# Altium PCB fpga.PcbDoc (part 5 of 11)
Units mm, origin at the board's own origin, x right, y up, seen from the top; angles counter-clockwise.
Board outline 210 x 210 mm, 2 copper layers (Top Layer, Bottom Layer), stack 1.591 mm thick; 639 components, 1839 nets, 4759 pads, 4016 vias.
Unrouted connection lines stored in the file: 10.
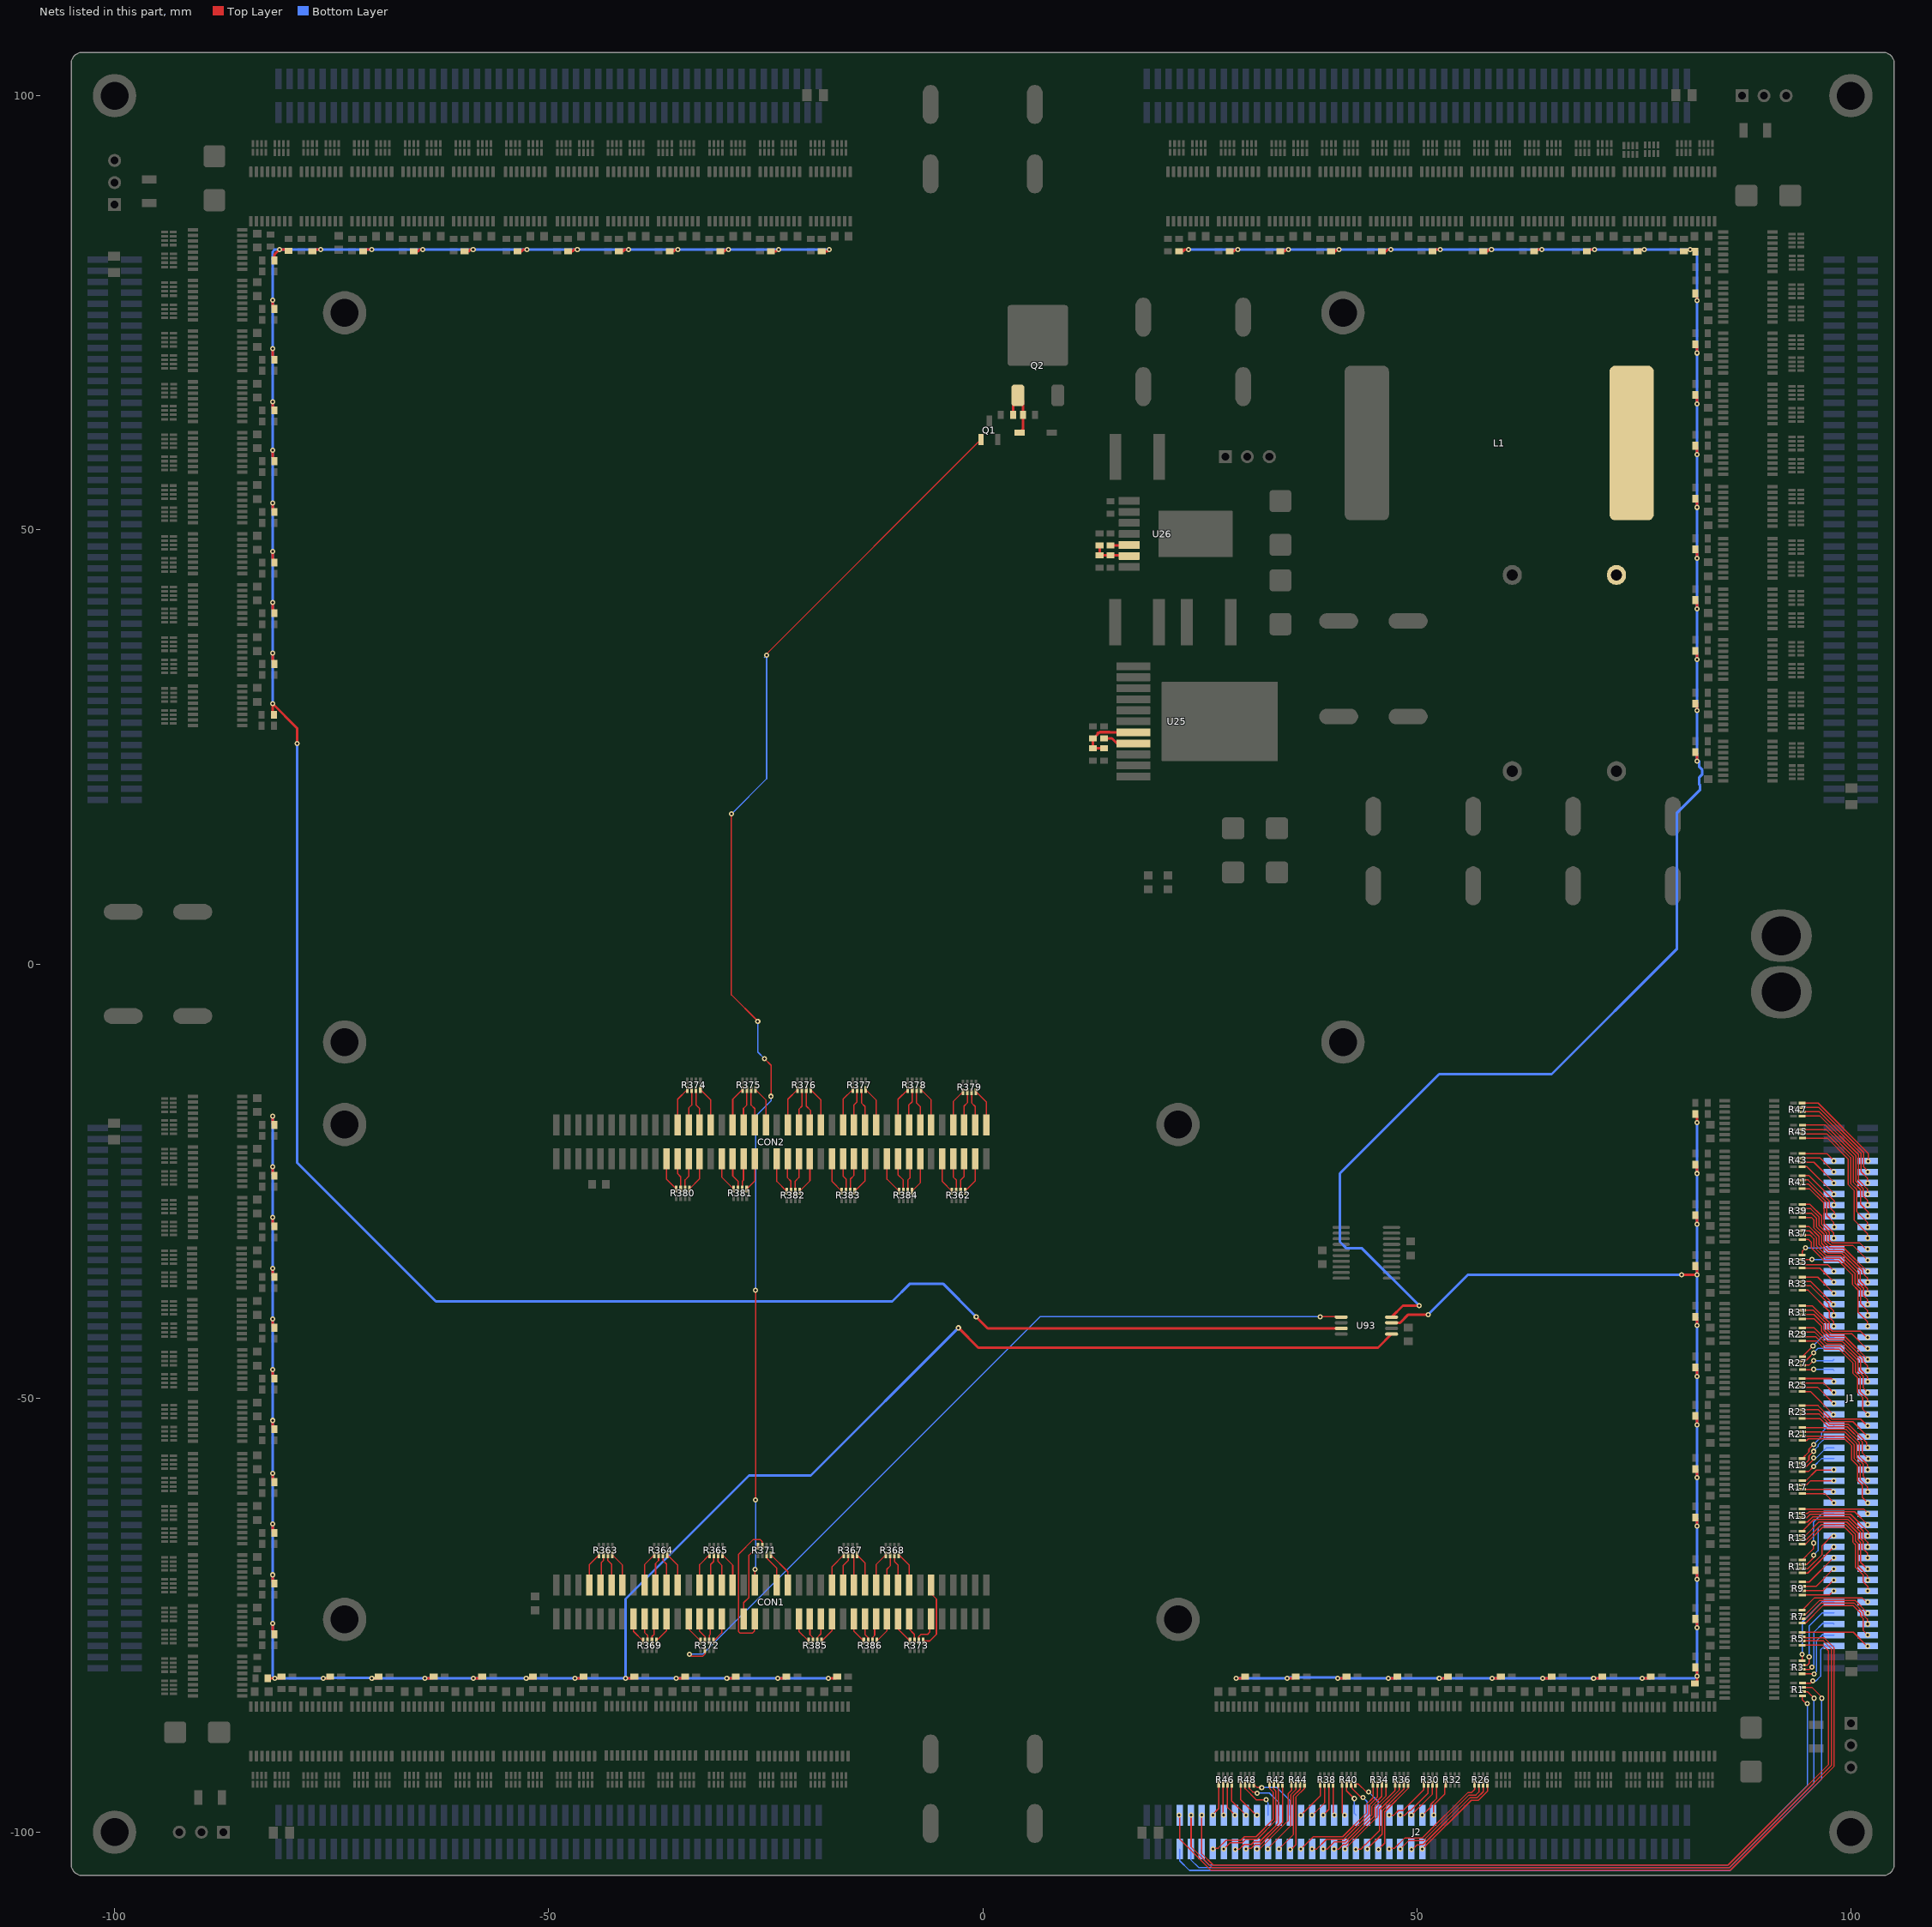
[diagram p5: the nets of this part, all layers, seen from the top]

## Via types
v1: diameter 0.6, hole 0.3, Top Layer to Bottom Layer, tented both sides, 3924 vias
v2: diameter 0.8, hole 0.4, Top Layer to Bottom Layer, tented both sides, 89 vias
v3: diameter 0.6, hole 0.3, Top Layer to Bottom Layer, 3 vias

## Nets (pads, with @x,y where several pads share a name; then routed paths per layer and width w, separated by ;. In a path a pad name is that pad's centre, name@x,y a point inside that pad or via, vN(x,y) a via of type N, cw(c..) or ccw(c..) an arc to the next point about the centre after c; other vN are vias at no path point) (continued)
LATCH: R181.1 R182.1 R183.1 R184.1 R185.1 R186.1 R187.1 R189.1 R190.1 R191.1 R192.1 R193.1 R194.1 R195.1 R197.1 R198.1 R199.1 R200.1 R201.1 R202.1 R203.1 R205.1 R206.1 R207.1 R208.1 R209.1 R210.1 R211.1 R213.1 R214.1 R215.1 R216.1 R217.1 R218.1 R219.1 R221.1 R222.1 R223.1 R224.1 R225.1 R226.1 R227.1 R229.1 R230.1 R231.1 R232.1 R233.1 R234.1 R235.1 R238.1 R239.1 R240.1 R241.1 R242.1 R243.1 R244.1 R247.1 R248.1 R249.1 R250.1 R251.1 R252.1 R253.1 R256.1 R257.1 R258.1 R259.1 R260.1 R261.1 R262.1 R265.1 R266.1 R267.1 R268.1 R269.1 R270.1 R271.1 R274.1 R275.1 R276.1 R277.1 R278.1 R279.1 R280.1 R319.1 R326.1 R333.1 R340.1 R347.1 R354.1 U93.3 U93.5 U93.7 U93.8 | length 998.3
  Top Layer w0.3: R202.1@-82.358,-82.042 -82.104,-82.296 v1(-81.534,-82.296) -80.71,-82.296 R201.1@-80.518,-82.104 ; v1(-81.796,35.814) -81.796,34.99 R186.1@-81.604,34.798 ; v1(-81.796,41.656) -81.796,40.832 R278.1@-81.604,40.64 ; v1(-81.796,47.498) -81.796,46.674 R269.1@-81.604,46.482 ; v1(-81.796,53.086) -81.796,52.262 R260.1@-81.604,52.07 ; v1(-81.796,59.182) -81.796,58.358 R251.1@-81.604,58.166 ; v1(-81.796,64.77) -81.796,63.946 R242.1@-81.604,63.754 ; v1(-81.796,70.866) -81.796,70.042 R233.1@-81.604,69.85 ; v1(-81.796,76.454) -81.796,75.63 R225.1@-81.604,75.438 ; R217.1@-81.796,81.218 -81.604,81.026 -81.604,81.696 v1(-81,82.3) -79.952,82.3 R218.1@-79.756,82.104 ; v1(-81.788,-75.946) -81.788,-76.77 R210.1@-81.596,-76.962 ; v1(-81.788,-70.358) -81.788,-71.182 R216.1@-81.596,-71.374 ; v1(-81.788,-64.516) -81.788,-65.34 R224.1@-81.596,-65.532 ; v1(-81.788,-58.674) -81.788,-59.498 R232.1@-81.596,-59.69 ; v1(-81.788,-52.578) -81.788,-53.402 R241.1@-81.596,-53.594 ; v1(-81.788,-46.736) -81.788,-47.56 R250.1@-81.596,-47.752 ; v1(-81.788,-40.894) -81.788,-41.718 R259.1@-81.596,-41.91 ; v1(-81.788,-35.052) -81.788,-35.876 R268.1@-81.596,-36.068 ; v1(-81.788,-29.21) -81.788,-30.034 R277.1@-81.596,-30.226 ; v1(-81.788,-23.368) -81.788,-24.192 R185.1@-81.596,-24.384 ; v1(-81.788,-17.526) -81.788,-18.35 R193.1@-81.596,-18.542 ; R194.1@-81.604,28.956 -81.796,29.148 v1(-81.796,29.972) -78.994,27.17 v1(-78.994,25.4) ; R226.1@-77,82.1 -76.804,82.296 v1(-76.27,82.296) ; v1(-75.946,-82.296) -75.122,-82.296 R209.1@-74.93,-82.104 ; R234.1@-71.035,82.265 -71.004,82.296 -71,82.3 v1(-70.4,82.3) ; v1(-70.358,-82.296) -69.534,-82.296 -69.469,-82.231 R215.1@-69.342,-82.104 ; -65.032,82.104 -64.84,82.296 -64.836,82.3 v1(-64.5,82.3) ; v1(-64.262,-82.296) -63.438,-82.296 R223.1@-63.246,-82.104 ; -59.19,82.104 -58.994,82.3 v1(-58.7,82.3) ; v1(-58.674,-82.296) -57.85,-82.296 R231.1@-57.658,-82.104 ; -53.094,82.104 -52.902,82.296 -52.898,82.3 v1(-52.5,82.3) ; v1(-52.578,-82.296) -51.754,-82.296 R240.1@-51.562,-82.104 ; -47.252,82.104 -47.056,82.3 v1(-46.7,82.3) ; v1(-46.99,-82.296) -46.166,-82.296 R249.1@-45.974,-82.104 ; -41.41,82.104 -41.218,82.296 v1(-40.8,82.296) ; v1(-41.148,-82.296) -40.324,-82.296 R258.1@-40.132,-82.104 ; -35.568,82.104 -35.376,82.296 v1(-35.1,82.296) ; v1(-35.306,-82.296) -34.482,-82.296 R267.1@-34.29,-82.104 ; -29.726,82.104 -29.534,82.296 v1(-29.3,82.296) ; v1(-29.464,-82.296) -28.64,-82.296 R276.1@-28.448,-82.104 ; R203.1@-24.384,82.104 -23.796,82.104 ; v1(-23.622,-82.296) -22.798,-82.296 R184.1@-22.606,-82.104 ; R211.1@-18.542,82.104 -17.896,82.104 v1(-17.7,82.3) ; v1(-17.78,-82.296) -16.956,-82.296 R192.1@-16.764,-82.104 ; v1(-2.794,-41.91) -0.508,-44.196 45.531,-44.196 U93.5@47.096,-42.631 ; v1(-0.762,-40.64) 0.579,-41.981 U93.3@41.296,-41.981 ; 23.106,82.104 23.298,82.296 23.302,82.3 v1(23.7,82.3) ; 28.948,82.104 29.14,82.296 v1(29.4,82.296) ; v1(29.21,-82.296) 30.034,-82.296 R275.1@30.226,-82.104 ; 34.79,82.104 34.982,82.296 v1(35.2,82.296) ; v1(35.052,-82.296) 35.876,-82.296 R266.1@36.068,-82.104 ; 40.632,82.104 40.824,82.296 40.828,82.3 v1(41.064,82.3) ; v1(40.894,-82.296) 41.718,-82.296 R257.1@41.91,-82.104 ; 46.474,82.104 46.666,82.296 v1(47,82.296) ; v1(46.736,-82.296) 47.56,-82.296 R248.1@47.752,-82.104 ; U93.7@47.096,-41.331 48.077,-41.331 49.022,-40.386 v1(51.308,-40.386) ; U93.8@47.096,-40.681 48.407,-39.37 v1(50.292,-39.37) ; R271.1@52.062,82.104 52.254,82.296 v1(52.7,82.296) ; v1(52.578,-82.296) 53.402,-82.296 R239.1@53.594,-82.104 ; 58.158,82.104 58.354,82.3 v1(58.6,82.3) ; v1(58.674,-82.296) 59.498,-82.296 R230.1@59.69,-82.104 ; R253.1@63.746,82.104 63.938,82.296 v1(64.4,82.296) ; v1(64.516,-82.296) 65.34,-82.296 R222.1@65.532,-82.104 ; R244.1@69.842,82.104 69.969,82.231 70.034,82.296 70.038,82.3 v1(70.5,82.3) ; v1(70.358,-82.296) 71.182,-82.296 R214.1@71.374,-82.104 ; R235.1@75.43,82.104 75.626,82.3 v1(76.2,82.3) ; v1(75.946,-82.296) 76.77,-82.296 R208.1@76.962,-82.104 ; v1(80.518,-35.814) v1(82.296,-35.814) 82.296,-34.99 R247.1@82.104,-34.798 ; R200.1@82.042,-82.866 82.296,-82.612 v1(82.296,-82.042) 82.296,-81.218 R183.1@82.104,-81.026 ; R219.1@82.096,24.384 82.288,24.192 v1(82.288,23.368) ; R206.1@82.096,30.226 82.288,30.034 v1(82.288,29.21) ; R198.1@82.096,36.068 82.288,35.876 v1(82.288,35.052) ; R190.1@82.096,41.91 82.288,41.718 v1(82.288,40.894) ; R182.1@82.096,47.752 82.288,47.56 v1(82.288,46.736) ; R354.1@82.096,53.594 82.288,53.402 v1(82.288,52.578) ; R347.1@82.096,59.69 82.288,59.498 v1(82.288,58.674) ; R340.1@82.096,65.532 82.288,65.34 v1(82.288,64.516) ; R333.1@82.096,71.374 82.288,71.182 v1(82.288,70.358) ; R326.1@82.096,76.962 82.288,76.77 82.3,76.758 v1(82.3,76.4) ; R191.1@82.104,-75.438 82.296,-75.63 v1(82.296,-76.454) ; R199.1@82.104,-69.85 82.296,-70.042 v1(82.296,-70.866) ; R207.1@82.104,-63.754 82.296,-63.946 v1(82.296,-64.77) ; R213.1@82.104,-58.166 82.296,-58.358 v1(82.296,-59.182) ; R221.1@82.104,-52.07 82.296,-52.262 v1(82.296,-53.086) ; R229.1@82.104,-46.482 82.296,-46.674 v1(82.296,-47.498) ; R238.1@82.104,-40.64 82.296,-40.832 v1(82.296,-41.656) ; R256.1@82.104,-28.956 82.296,-29.148 v1(82.296,-29.972) ; R265.1@82.104,-23.114 82.296,-23.306 v1(82.296,-24.13) ; R274.1@82.104,-17.272 82.296,-17.464 v1(82.296,-18.288)
  Bottom Layer w0.3: v1(-81.796,29.972) v1(-81.796,35.814) v1(-81.796,41.656) v1(-81.796,47.498) v1(-81.796,53.086) v1(-81.796,59.182) v1(-81.796,64.77) v1(-81.796,70.866) v1(-81.796,76.454) -81.796,82.042 -81.542,82.296 v1(-76.27,82.296) -76.266,82.3 v1(-70.4,82.3) v1(-64.5,82.3) v1(-58.7,82.3) v1(-52.5,82.3) v1(-46.7,82.3) -40.398,82.3 ; v1(-81.788,-17.526) v1(-81.788,-23.368) -81.788,-26.788 -81.8,-26.8 -81.788,-26.812 v1(-81.788,-29.21) v1(-81.788,-35.052) v1(-81.788,-40.894) v1(-81.788,-46.736) v1(-81.788,-52.578) v1(-81.788,-58.674) v1(-81.788,-64.516) v1(-81.788,-70.358) v1(-81.788,-75.946) -81.788,-82.042 v1(-81.534,-82.296) v1(-75.946,-82.296) -75.905,-82.255 -70.399,-82.255 v1(-70.358,-82.296) v1(-64.262,-82.296) v1(-58.674,-82.296) v1(-52.578,-82.296) v1(-46.99,-82.296) v1(-41.148,-82.296) ; v1(-78.994,25.4) -78.994,-22.86 -62.992,-38.862 -10.414,-38.862 -8.382,-36.83 -4.572,-36.83 v1(-0.762,-40.64) ; v1(-40.8,82.296) v1(-35.1,82.296) v1(-29.3,82.296) v1(-23.5,82.296) -17.704,82.296 v1(-17.7,82.3) ; v1(-17.78,-82.296) v1(-23.622,-82.296) v1(-29.464,-82.296) v1(-35.306,-82.296) v1(-41.148,-82.296) ; v1(-2.794,-41.91) -19.812,-58.928 -26.924,-58.928 -41.148,-73.152 v1(-41.148,-82.296) ; v1(23.7,82.3) 29.96,82.3 ; v1(29.21,-82.296) v1(35.052,-82.296) 35.144,-82.204 40.802,-82.204 v1(40.894,-82.296) v1(46.736,-82.296) v1(52.578,-82.296) v1(58.674,-82.296) v1(64.516,-82.296) v1(70.358,-82.296) v1(75.946,-82.296) 82.042,-82.296 v1(82.296,-82.042) v1(82.296,-76.454) v1(82.296,-70.866) v1(82.296,-64.77) v1(82.296,-59.182) v1(82.296,-53.086) v1(82.296,-47.498) v1(82.296,-41.656) v1(82.296,-35.814) v1(82.296,-29.972) v1(82.296,-24.13) v1(82.296,-18.288) v1@82.288,-18.28 ; v1(29.4,82.296) v1(35.2,82.296) 35.204,82.3 v1(41.064,82.3) 47.486,82.3 ; v1(47,82.296) v1(52.7,82.296) 52.704,82.3 v1(58.6,82.3) v1(70.5,82.3) v1(76.2,82.3) v1(81.5,82.3) 82.03,82.3 82.3,82.03 v1(82.3,76.4) 82.3,70.37 v1(82.288,70.358) v1(82.288,64.516) v1(82.288,58.674) v1(82.288,52.578) v1(82.288,46.736) v1(82.288,40.894) v1(82.288,35.052) v1(82.288,29.21) v1(82.288,23.368) 82.55,23.368 82.55,22.693 82.896,22.347 82.896,21.849 82.55,21.503 82.55,20.661 82.642,20.569 82.642,20.071 79.985,17.414 79.985,1.753 65.532,-12.7 52.578,-12.7 41.148,-24.13 41.148,-32.004 41.91,-32.766 43.688,-32.766 v1(50.292,-39.37) ; v1(51.308,-40.386) 55.88,-35.814 v1(80.518,-35.814) ; v1@64.404,82.3 v1(64.4,82.296) 64.754,82.296 64.758,82.3
LATCH_OUT: R372.6 U93.1 | length 93.7
  Top Layer w0.15: v1(-33.782,-79.502) -33.539,-79.745 -32.247,-79.745 -32,-79.498 R372.6@-32,-78.986 ; v1(38.862,-40.64) 41.255,-40.64 U93.1@41.296,-40.681
  Bottom Layer w0.15: v1(-33.782,-79.502) -32.258,-79.502 6.604,-40.64 v1(38.862,-40.64)
NetC120_2: C120.2 U26.5 | length 2.2
  Top Layer w0.3: C120.2@14.732,48.195 16.81,48.195 U26.5@16.875,48.26
NetC122_2: C122.2 U25.8 | length 3.6
  Top Layer w0.3: C122.2@13.97,25.97 13.984,25.984 14.884,25.984 15.469,25.4 U25.8@17.355,25.4
NetC123_1: C123.1 R366.2 R387.1 U25.7 | length 7.5
  Top Layer w0.3: R387.1@13.97,24.83 C123.1@12.7,24.83 R366.2@12.7,25.97 12.762,25.97 13.22,26.428 13.22,26.62 13.412,26.62 13.487,26.695 14.63,26.695 14.656,26.67 U25.7@17.355,26.67
NetC124_1: C124.1 R370.2 R388.1 U26.6 | length 4.6
  Top Layer w0.3: R370.2@13.462,48.195 C124.1@13.462,47.055 R388.1@14.732,47.055 16.81,47.055 U26.6@16.875,46.99
NetCON1_7: CON1.7 R363.1 | length 4
  Top Layer w0.15: CON1.7@-45.305,-71.55 -45.305,-69.185 R363.1@-44.184,-68.064
NetCON1_9: CON1.9 R363.2 | length 3.6
  Top Layer w0.15: CON1.9@-44.035,-71.55 -43.942,-71.457 -43.942,-68.961 -43.684,-68.703 R363.2@-43.684,-68.064
NetCON1_11: CON1.11 R363.3 | length 3.7
  Top Layer w0.15: R363.3@-43.184,-68.064 -43.184,-68.703 -42.765,-69.122 CON1.11@-42.765,-71.55
NetCON1_13: CON1.13 R363.4 | length 4
  Top Layer w0.15: R363.4@-42.684,-68.064 -41.495,-69.253 CON1.13@-41.495,-71.55
NetCON1_16: CON1.16 R369.4 | length 3
  Top Layer w0.15: CON1.16@-40.225,-75.45 -40.225,-76.865 R369.4@-39.104,-77.986
NetCON1_17: CON1.17 R364.1 | length 4
  Top Layer w0.15: CON1.17@-38.955,-71.55 -38.955,-69.185 R364.1@-37.834,-68.064
NetCON1_18: CON1.18 R369.3 | length 2.7
  Top Layer w0.15: CON1.18@-38.955,-75.45 -38.955,-76.996 -38.604,-77.347 R369.3@-38.604,-77.986
NetCON1_19: CON1.19 R364.2 | length 3.6
  Top Layer w0.15: CON1.19@-37.685,-71.55 -37.685,-69.054 -37.338,-68.707 -37.338,-68.068 R364.2@-37.334,-68.064
NetCON1_20: CON1.20 R369.2 | length 2.7
  Top Layer w0.15: R369.2@-38.104,-77.986 -38.104,-77.474 -37.846,-77.216 -37.846,-75.611 CON1.20@-37.685,-75.45
NetCON1_21: CON1.21 R364.3 | length 3.7
  Top Layer w0.15: R364.3@-36.834,-68.064 -36.834,-68.703 -36.415,-69.122 CON1.21@-36.415,-71.55
NetCON1_22: CON1.22 R369.1 | length 3
  Top Layer w0.15: R369.1@-37.604,-77.986 -36.415,-76.797 CON1.22@-36.415,-75.45
NetCON1_23: CON1.23 R364.4 | length 4
  Top Layer w0.15: R364.4@-36.334,-68.064 -35.145,-69.253 CON1.23@-35.145,-71.55
NetCON1_26: CON1.26 R372.4 | length 3.1
  Top Layer w0.15: CON1.26@-33.875,-75.45 -33.875,-76.611 R372.4@-32.5,-77.986
NetCON1_27: CON1.27 R365.1 | length 4
  Top Layer w0.15: CON1.27@-32.605,-71.55 -32.605,-69.185 R365.1@-31.484,-68.064
NetCON1_28: CON1.28 R372.3 | length 2.8
  Top Layer w0.15: CON1.28@-32.605,-75.45 -32.605,-76.869 -32,-77.474 R372.3@-32,-77.986
NetCON1_29: CON1.29 R365.2 | length 3.6
  Top Layer w0.15: CON1.29@-31.335,-71.55 -31.335,-69.181 -30.988,-68.834 -30.988,-68.068 R365.2@-30.984,-68.064
NetCON1_30: CON1.30 R372.2 | length 2.6
  Top Layer w0.15: R372.2@-31.5,-77.986 -31.5,-77.347 -31.369,-77.216 -31.369,-75.484 CON1.30@-31.335,-75.45
NetCON1_31: CON1.31 R365.3 | length 3.7
  Top Layer w0.15: R365.3@-30.484,-68.064 -30.484,-68.83 -30.065,-69.249 CON1.31@-30.065,-71.55
NetCON1_32: CON1.32 R372.1 | length 2.9
  Top Layer w0.15: R372.1@-31,-77.986 -30.065,-77.051 CON1.32@-30.065,-75.45
NetCON1_33: CON1.33 R365.4 | length 4
  Top Layer w0.15: R365.4@-29.984,-68.064 -28.795,-69.253 CON1.33@-28.795,-71.55
NetCON1_36: CON1.36 R371.8 | length 9.1
  Top Layer w0.15: CON1.36@-27.525,-75.45 -27.525,-73.57 -26.93,-72.975 -26.93,-68.098 R371.8@-25.896,-67.064
NetCON1_37: CON1.37 Q1.1 | length 147
  Top Layer w0.15: v1(-28.956,17.272) -28.956,-3.556 v1(-25.908,-6.604) ; CON1.37@-26.255,-71.55 -26.238,-71.533 v1(-26.238,-69.748) ; v1(-26.162,-61.722) v1(-26.162,-37.592) ; v1(-25.146,-10.922) -24.384,-11.684 v1(-24.384,-15.24) ; v1(-24.892,35.56) -24.892,35.714 Q1.1@-0.188,60.418
  Bottom Layer w0.15: v1(-28.956,17.272) -24.892,21.336 v1(-24.892,35.56) -25.146,35.306 ; v1(-26.238,-69.748) -26.238,-69.545 -26.264,-69.52 -26.152,-69.408 -26.152,-68.37 -26.162,-68.38 v1(-26.162,-61.722) ; v1(-26.162,-37.592) -26.162,-17.526 -24.384,-15.748 v1(-24.384,-15.24) ; v1(-25.908,-6.604) -25.908,-10.16 v1(-25.146,-10.922)
NetCON1_38: CON1.38 R371.7 | length 16.4
  Top Layer w0.15: CON1.38@-26.255,-75.45 -26.289,-75.484 -26.289,-76.835 -26.543,-77.089 -27.94,-77.089 -28.12,-76.909 -28.12,-67.998 -26.416,-66.294 -25.654,-66.294 -25.396,-66.552 R371.7@-25.396,-67.064
NetCON1_41: CON1.41 R371.3 | length 4
  Top Layer w0.15: R371.3@-24.896,-68.064 -24.896,-68.432 -23.715,-69.613 CON1.41@-23.715,-71.55
NetCON1_43: CON1.43 R371.4 | length 4.3
  Top Layer w0.15: R371.4@-24.396,-68.064 -22.445,-70.015 CON1.43@-22.445,-71.55
NetCON1_46: CON1.46 R385.4 | length 3
  Top Layer w0.15: CON1.46@-21.175,-75.45 -21.175,-76.865 R385.4@-20.054,-77.986
NetCON1_48: CON1.48 R385.3 | length 2.7
  Top Layer w0.15: CON1.48@-19.905,-75.45 -19.905,-77.25 -19.554,-77.601 R385.3@-19.554,-77.986
NetCON1_50: CON1.50 R385.2 | length 2.7
  Top Layer w0.15: R385.2@-19.054,-77.986 -19.054,-77.601 -18.635,-77.182 CON1.50@-18.635,-75.45
NetCON1_51: CON1.51 R367.1 | length 4.1
  Top Layer w0.15: CON1.51@-17.365,-71.55 -17.365,-69.439 R367.1@-15.99,-68.064
NetCON1_52: CON1.52 R385.1 | length 3
  Top Layer w0.15: R385.1@-18.554,-77.986 -17.365,-76.797 CON1.52@-17.365,-75.45
NetCON1_53: CON1.53 R367.2 | length 3.7
  Top Layer w0.15: CON1.53@-16.095,-71.55 -16.095,-69.308 -15.494,-68.707 -15.494,-68.068 R367.2@-15.49,-68.064
NetCON1_55: CON1.55 R367.3 | length 3.6
  Top Layer w0.15: R367.3@-14.99,-68.064 -14.865,-68.189 -14.865,-71.51 CON1.55@-14.825,-71.55
NetCON1_56: CON1.56 R386.4 | length 3
  Top Layer w0.15: CON1.56@-14.825,-75.45 -14.825,-76.865 R386.4@-13.704,-77.986
NetCON1_57: CON1.57 R367.4 | length 3.9
  Top Layer w0.15: R367.4@-14.49,-68.064 -13.555,-68.999 CON1.57@-13.555,-71.55
NetCON1_58: CON1.58 R386.3 | length 2.7
  Top Layer w0.15: CON1.58@-13.555,-75.45 -13.555,-77.25 -13.204,-77.601 R386.3@-13.204,-77.986
NetCON1_59: CON1.59 R368.1 | length 4
  Top Layer w0.15: CON1.59@-12.285,-71.55 -12.285,-69.185 R368.1@-11.164,-68.064
NetCON1_60: CON1.60 R386.2 | length 2.7
  Top Layer w0.15: R386.2@-12.704,-77.986 -12.704,-77.601 -12.446,-77.343 -12.446,-75.611 CON1.60@-12.285,-75.45
NetCON1_61: CON1.61 R368.2 | length 3.7
  Top Layer w0.15: CON1.61@-11.015,-71.55 -11.049,-71.516 -11.049,-69.723 -10.664,-69.338 R368.2@-10.664,-68.064
NetCON1_62: CON1.62 R386.1 | length 3
  Top Layer w0.15: R386.1@-12.204,-77.986 -11.015,-76.797 CON1.62@-11.015,-75.45
NetCON1_63: CON1.63 R368.3 | length 3.7
  Top Layer w0.15: R368.3@-10.164,-68.064 -10.164,-68.83 -9.745,-69.249 CON1.63@-9.745,-71.55
NetCON1_64: CON1.64 R373.4 | length 3.1
  Top Layer w0.15: CON1.64@-9.745,-75.45 -9.745,-76.611 R373.4@-8.37,-77.986
NetCON1_65: CON1.65 R368.4 | length 4
  Top Layer w0.15: R368.4@-9.664,-68.064 -8.475,-69.253 CON1.65@-8.475,-71.55
NetCON1_66: CON1.66 R373.3 | length 2.8
  Top Layer w0.15: CON1.66@-8.475,-75.45 -8.475,-76.615 -7.87,-77.22 R373.3@-7.87,-77.986
NetCON1_69: CON1.69 R373.1 | length 7.8
  Top Layer w0.15: R373.1@-6.87,-77.986 -6.104,-77.986 -5.334,-77.216 -5.334,-73.152 -5.935,-72.551 CON1.69@-5.935,-71.55
NetCON1_70: CON1.70 R373.2 | length 3.6
  Top Layer w0.15: R373.2@-7.37,-77.986 -7.37,-77.474 -7.112,-77.216 -6.35,-77.216 -6.096,-76.962 -6.096,-75.611 CON1.70@-5.935,-75.45
NetCON2_22: CON2.22 R380.4 | length 3.9
  Top Layer w0.15: CON2.22@-36.415,-22.45 -36.415,-24.795 R380.4@-35.294,-25.916
NetCON2_23: CON2.23 R374.1 | length 4.5
  Top Layer w0.15: CON2.23@-35.145,-18.55 -35.145,-15.591 R374.1@-34.024,-14.47
NetCON2_24: CON2.24 R380.3 | length 3.6
  Top Layer w0.15: CON2.24@-35.145,-22.45 -35.145,-24.164 -34.794,-24.515 R380.3@-34.794,-25.916
NetCON2_25: CON2.25 R374.2 | length 4.2
  Top Layer w0.15: CON2.25@-33.875,-18.55 -33.875,-16.603 -33.528,-16.256 -33.528,-14.474 R374.2@-33.524,-14.47
NetCON2_26: CON2.26 R380.2 | length 3.6
  Top Layer w0.15: R380.2@-34.294,-25.916 -34.29,-25.912 -34.29,-24.892 -33.875,-24.477 CON2.26@-33.875,-22.45
NetCON2_27: CON2.27 R374.3 | length 4.3
  Top Layer w0.15: R374.3@-33.024,-14.47 -33.024,-16.252 -32.605,-16.671 CON2.27@-32.605,-18.55
NetCON2_28: CON2.28 R380.1 | length 4
  Top Layer w0.15: R380.1@-33.794,-25.916 -32.605,-24.727 CON2.28@-32.605,-22.45
NetCON2_29: CON2.29 R374.4 | length 4.6
  Top Layer w0.15: R374.4@-32.524,-14.47 -31.335,-15.659 CON2.29@-31.335,-18.55
NetCON2_32: CON2.32 R381.4 | length 4
  Top Layer w0.15: CON2.32@-30.065,-22.45 -30.065,-24.541 R381.4@-28.69,-25.916
NetCON2_33: CON2.33 R375.1 | length 4.5
  Top Layer w0.15: CON2.33@-28.795,-18.55 -28.795,-15.591 R375.1@-27.674,-14.47
NetCON2_34: CON2.34 R381.3 | length 3.7
  Top Layer w0.15: CON2.34@-28.795,-22.45 -28.795,-24.418 -28.19,-25.023 R381.3@-28.19,-25.916
NetCON2_35: CON2.35 R375.2 | length 4.3
  Top Layer w0.15: CON2.35@-27.525,-18.55 -27.559,-18.516 -27.559,-16.637 -27.174,-16.252 R375.2@-27.174,-14.47
NetCON2_36: CON2.36 R381.2 | length 3.5
  Top Layer w0.15: R381.2@-27.69,-25.916 -27.69,-25.023 -27.559,-24.892 -27.559,-22.484 CON2.36@-27.525,-22.45
NetCON2_37: CON2.37 R375.3 | length 4.3
  Top Layer w0.15: R375.3@-26.674,-14.47 -26.674,-16.252 -26.255,-16.671 CON2.37@-26.255,-18.55
NetCON2_38: CON2.38 R381.1 | length 3.9
  Top Layer w0.15: R381.1@-27.19,-25.916 -26.255,-24.981 CON2.38@-26.255,-22.45
NetCON2_39: CON2.39 R375.4 | length 4.6
  Top Layer w0.15: R375.4@-26.174,-14.47 -24.985,-15.659 CON2.39@-24.985,-18.55
NetCON2_42: CON2.42 R382.4 | length 4.2
  Top Layer w0.15: CON2.42@-23.715,-22.45 -23.715,-25.049 R382.4@-22.594,-26.17
NetCON2_43: CON2.43 R376.1 | length 4.5
  Top Layer w0.15: CON2.43@-22.445,-18.55 -22.445,-15.591 R376.1@-21.324,-14.47
NetCON2_44: CON2.44 R382.3 | length 3.9
  Top Layer w0.15: CON2.44@-22.445,-22.45 -22.479,-22.484 -22.479,-24.638 -22.094,-25.023 R382.3@-22.094,-26.17
NetCON2_45: CON2.45 R376.2 | length 4.2
  Top Layer w0.15: CON2.45@-21.175,-18.55 -21.175,-16.73 -20.828,-16.383 -20.828,-14.474 R376.2@-20.824,-14.47
NetCON2_46: CON2.46 R382.2 | length 3.9
  Top Layer w0.15: R382.2@-21.594,-26.17 -21.594,-25.023 -21.175,-24.604 CON2.46@-21.175,-22.45
NetCON2_47: CON2.47 R376.3 | length 4.3
  Top Layer w0.15: R376.3@-20.324,-14.47 -20.324,-16.379 -19.812,-16.891 -19.812,-18.457 CON2.47@-19.905,-18.55
NetCON2_48: CON2.48 R382.1 | length 4.2
  Top Layer w0.15: R382.1@-21.094,-26.17 -19.905,-24.981 CON2.48@-19.905,-22.45
NetCON2_49: CON2.49 R376.4 | length 4.6
  Top Layer w0.15: R376.4@-19.824,-14.47 -18.635,-15.659 CON2.49@-18.635,-18.55
NetCON2_52: CON2.52 R383.4 | length 4.2
  Top Layer w0.15: CON2.52@-17.365,-22.45 -17.365,-25.049 R383.4@-16.244,-26.17
NetCON2_53: CON2.53 R377.1 | length 4.5
  Top Layer w0.15: CON2.53@-16.095,-18.55 -16.095,-15.591 R377.1@-14.974,-14.47
NetCON2_54: CON2.54 R383.3 | length 3.9